# Altium PCB BTF16_2 (2).PcbDoc (part 2 of 4)
Units mm, origin at the board's own origin, x right, y up, seen from the top; angles counter-clockwise.
Board outline 150 x 212.5 mm, 4 copper layers (L1, L2, L3, L4), stack 1.606 mm thick; 313 components, 136 nets, 1767 pads, 1746 vias.
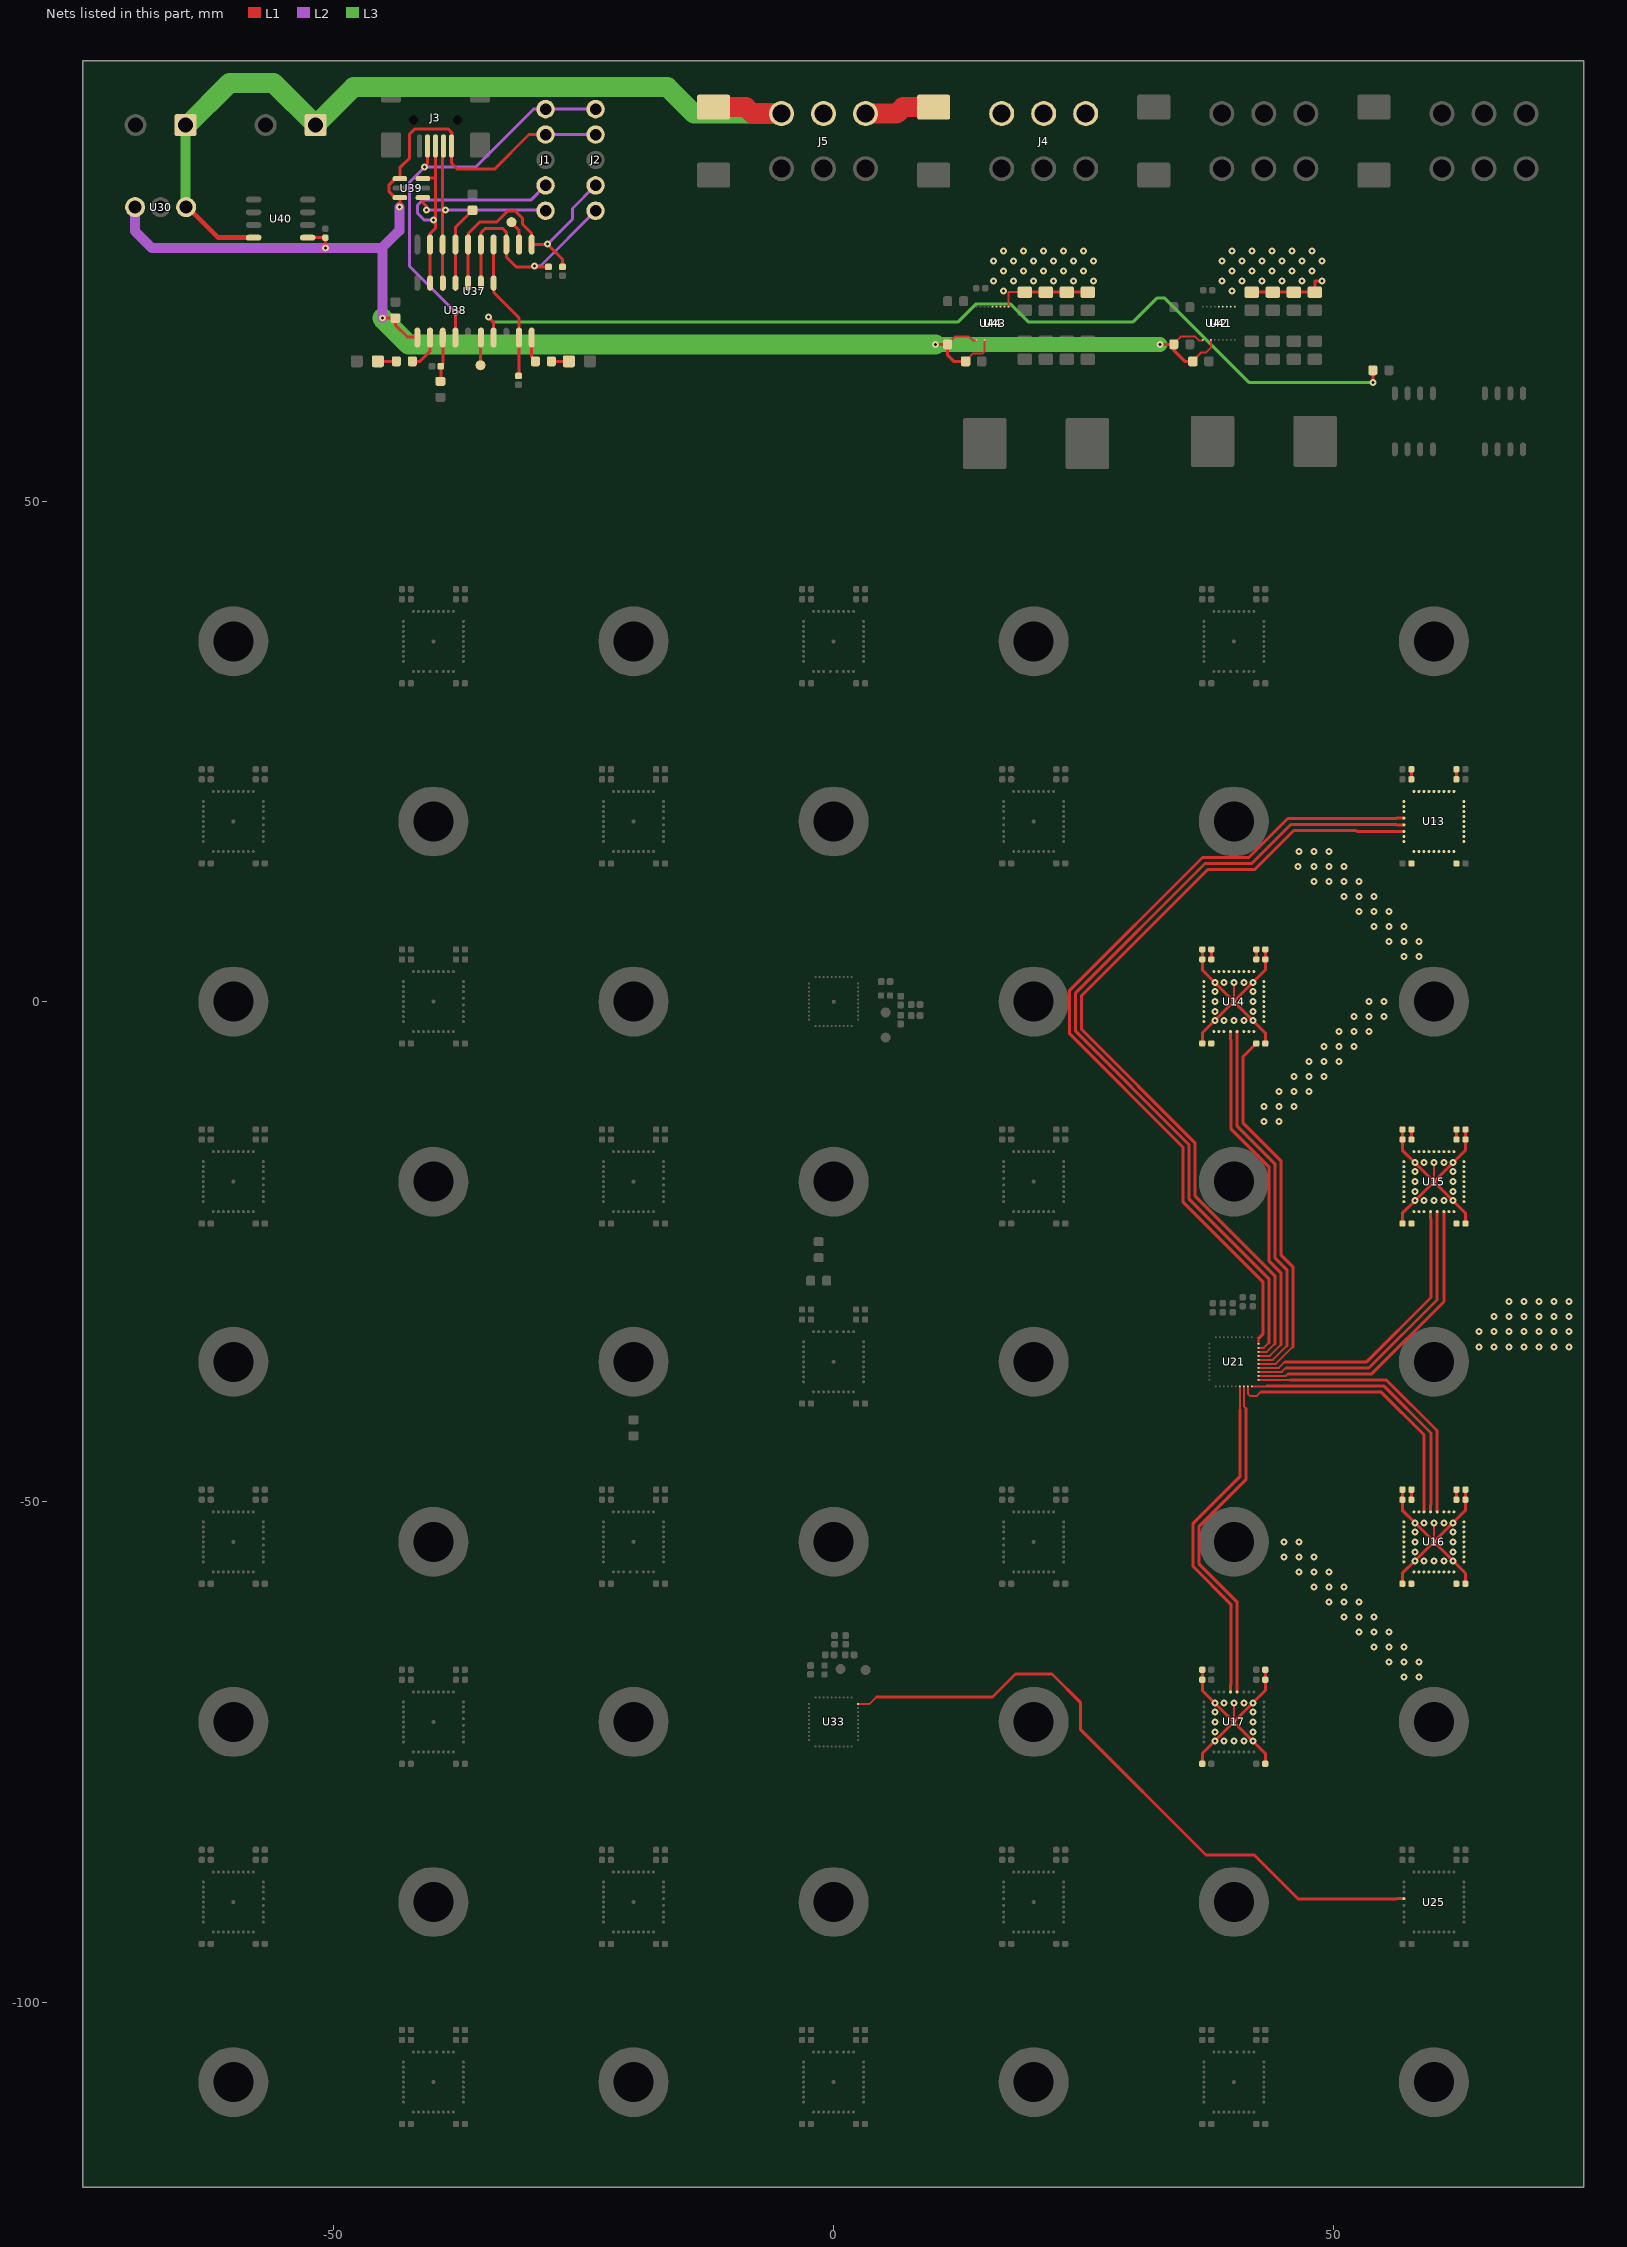
[diagram p4: the nets of this part, all layers, seen from the top]

## Components (designator, comment, footprint, x,y, rotation, side; value= is the part's Value field where it differs from the comment) (continued)
C136 "SMD_0402_CAPC1005X70N" SMD_0402_CAPC1005X70N -57.301,-49.784 r0 top
C137 "SMD_0402_CAPC1005X70N" SMD_0402_CAPC1005X70N -62.701,-49.784 r180 top
C138 "SMD_0402_CAPC1005X70N" SMD_0402_CAPC1005X70N -57.301,-58.184 r0 top
C139 "SMD_0402_CAPC1005X70N" SMD_0402_CAPC1005X70N 57.299,-94.184 r180 top
C140 "SMD_0402_CAPC1005X70N" SMD_0402_CAPC1005X70N 57.299,-84.784 r180 top
C141 "SMD_0402_CAPC1005X70N" SMD_0402_CAPC1005X70N 62.699,-84.784 r0 top
C142 "SMD_0402_CAPC1005X70N" SMD_0402_CAPC1005X70N 37.299,-112.184 r180 top
C143 "SMD_0402_CAPC1005X70N" SMD_0402_CAPC1005X70N 37.299,-102.784 r180 top
C144 "SMD_0402_CAPC1005X70N" SMD_0402_CAPC1005X70N 42.699,-102.784 r0 top
C145 "SMD_0402_CAPC1005X70N" SMD_0402_CAPC1005X70N 17.299,-94.184 r180 top
C146 "SMD_0402_CAPC1005X70N" SMD_0402_CAPC1005X70N 17.299,-84.784 r180 top
C147 "SMD_0402_CAPC1005X70N" SMD_0402_CAPC1005X70N 22.699,-84.784 r0 top
C148 "SMD_0402_CAPC1005X70N" SMD_0402_CAPC1005X70N -2.701,-112.184 r180 top
C149 "SMD_0402_CAPC1005X70N" SMD_0402_CAPC1005X70N -2.701,-102.784 r180 top
C150 "SMD_0402_CAPC1005X70N" SMD_0402_CAPC1005X70N 2.699,-102.784 r0 top
C151 "SMD_0402_CAPC1005X70N" SMD_0402_CAPC1005X70N 62.699,-85.784 r0 top
C152 "SMD_0402_CAPC1005X70N" SMD_0402_CAPC1005X70N 57.299,-85.784 r180 top
C153 "SMD_0402_CAPC1005X70N" SMD_0402_CAPC1005X70N 62.699,-94.184 r0 top
C154 "SMD_0402_CAPC1005X70N" SMD_0402_CAPC1005X70N 42.699,-103.784 r0 top
C155 "SMD_0402_CAPC1005X70N" SMD_0402_CAPC1005X70N 37.299,-103.784 r180 top
C156 "SMD_0402_CAPC1005X70N" SMD_0402_CAPC1005X70N 42.699,-112.184 r0 top
C157 "SMD_0402_CAPC1005X70N" SMD_0402_CAPC1005X70N 22.699,-85.784 r0 top
C158 "SMD_0402_CAPC1005X70N" SMD_0402_CAPC1005X70N 17.299,-85.784 r180 top
C159 "SMD_0402_CAPC1005X70N" SMD_0402_CAPC1005X70N 22.699,-94.184 r0 top
C160 "SMD_0402_CAPC1005X70N" SMD_0402_CAPC1005X70N 2.699,-103.784 r0 top
C161 "SMD_0402_CAPC1005X70N" SMD_0402_CAPC1005X70N -2.701,-103.784 r180 top
C162 "SMD_0402_CAPC1005X70N" SMD_0402_CAPC1005X70N 2.699,-112.184 r0 top
C163 "SMD_0402_CAPC1005X70N" SMD_0402_CAPC1005X70N -17.301,-49.784 r0 top
C164 "SMD_0402_CAPC1005X70N" SMD_0402_CAPC1005X70N -22.701,-49.784 r180 top
C165 "SMD_0402_CAPC1005X70N" SMD_0402_CAPC1005X70N -17.301,-58.184 r0 top
C166 "SMD_0402_CAPC1005X70N" SMD_0402_CAPC1005X70N 22.699,-49.784 r0 top
C167 "SMD_0402_CAPC1005X70N" SMD_0402_CAPC1005X70N 17.299,-49.784 r180 top
C168 "SMD_0402_CAPC1005X70N" SMD_0402_CAPC1005X70N 22.699,-58.184 r0 top
C187 "SMD_0402_CAPC1005X55N" SMD_0402_CAPC1005X55N -0.9,-66.8 r90 top
C206 "SMD_0402_CAPC1005X55N" SMD_0402_CAPC1005X55N -50.8,76.8 r90 top
C207 "SMD_0603_CAPC1608X80N" SMD_0603_CAPC1608X80N -36.1,79.9 r90 top
C208 "SMD_0603_CAPC1608X95N" SMD_0603_CAPC1608X95N -43.792,69.12 r90 top
C209 "SMD_0603_CAPC1608X95N" SMD_0603_CAPC1608X95N 36.7,64 r0 top
C210 "SMD_0402_CAPC1005X55N" SMD_0402_CAPC1005X55N 37.4,71.1 r0 top
C211 "SMD_0805_CAPC2012X145N" SMD_0805_CAPC2012X145N 46,65.1 r90 top
C212 "SMD_0805_CAPC2012X145N" SMD_0805_CAPC2012X145N 41.8,65.1 r90 top
C213 "SMD_0805_CAPC2012X145N" SMD_0805_CAPC2012X145N 43.9,65.1 r90 top
C214 "SMD_0805_CAPC2012X145N" SMD_0805_CAPC2012X145N 48.1,65.1 r90 top
C215 "SMD_0805_CAPC2012X145N" SMD_0805_CAPC2012X145N 48.1,70 r270 top
C216 "SMD_0805_CAPC2012X145N" SMD_0805_CAPC2012X145N 41.8,70 r270 top
C217 "SMD_0805_CAPC2012X145N" SMD_0805_CAPC2012X145N 43.9,70 r270 top
C218 "SMD_0805_CAPC2012X145N" SMD_0805_CAPC2012X145N 46,70 r270 top
C219 "SMD_0603_CAPC1608X95N" SMD_0603_CAPC1608X95N 14,64 r0 top
C220 "SMD_0402_CAPC1005X55N" SMD_0402_CAPC1005X55N 14.7,71.3 r0 top
C221 "NR_SMD_0805_CAPC2012X145N" NR_SMD_0805_CAPC2012X145N 23.3,65.1 r90 top
C222 "NR_SMD_0805_CAPC2012X145N" NR_SMD_0805_CAPC2012X145N 19.1,65.1 r90 top
C223 "NR_SMD_0805_CAPC2012X145N" NR_SMD_0805_CAPC2012X145N 21.2,65.1 r90 top
C224 "NR_SMD_0805_CAPC2012X145N" NR_SMD_0805_CAPC2012X145N 25.4,65.1 r90 top
C225 "NR_SMD_0805_CAPC2012X145N" NR_SMD_0805_CAPC2012X145N 25.4,70 r270 top
C226 "NR_SMD_0805_CAPC2012X145N" SMD_0805_CAPC2012X145N 19.1,70 r270 top
C227 "NR_SMD_0805_CAPC2012X145N" NR_SMD_0805_CAPC2012X145N 21.2,70 r270 top
C228 "NR_SMD_0805_CAPC2012X145N" NR_SMD_0805_CAPC2012X145N 23.3,70 r270 top
D1 "SMD_LED2012X100N" SMD_LED2012X100N -25.4,64 r180 top
D2 "SMD_DO214AC_SMC" SMD_DO214AC_SMC 10,86 r270 top
D3 "SMD_LED2012X100N" SMD_LED2012X100N -46.6,64 r0 top
D4 "SMD_DO214AC_SMC" SMD_DO214AC_SMC -12,86 r270 top
D5 "SMD_DO214AC_SMC" SMD_DO214AC_SMC 32,86 r270 top
D6 "SMD_DO214AC_SMC" SMD_DO214AC_SMC 54,86 r270 top
J1 "PTH_HDRV05W64P254_1X05" PTH_HDRV05W64P254_1X05 -28.792,84.12 r270 top
J2 "PTH_HDRV05W64P254_1X05" PTH_HDRV05W64P254_1X05 -23.792,84.12 r270 top
J3 "SMD_CON-CVILUX-CU04-SCM15B0" SMD_CON-CVILUX-CU04-SCM15B0 -39.792,88.12 r180 top
J4 "PTH_CON_WR-MRC4-6P_S" PTH_CON_WR-MRC4-6P_S 21,86 r0 top
J5 "PTH_CON_WR-MRC4-6P_S" PTH_CON_WR-MRC4-6P_S -1,86 r0 top
J6 "PTH_HDRV02W11060P500_1X02" PTH_HDRV02W11060P500_1X02 -67.27,87.258 r180 top
J7 "PTH_HDRV02W11060P500_1X02" PTH_HDRV02W11060P500_1X02 -54.27,87.258 r180 top
J8 "PTH_CON_WR-MRC4-6P_S" PTH_CON_WR-MRC4-6P_S 65,86 r0 top
J9 "PTH_CON_WR-MRC4-6P_S" PTH_CON_WR-MRC4-6P_S 43,86 r0 top
J10 "PTH_MTG400_700" PTH_MTG400_700 60,36 r0 top
J11 "PTH_MTG400_700" PTH_MTG400_700 20,36 r0 top
J12 "PTH_MTG400_700" PTH_MTG400_700 -20,36 r0 top
J13 "PTH_MTG400_700" PTH_MTG400_700 -60,36 r0 top
J14 "PTH_MTG400_700" PTH_MTG400_700 -40,18 r0 top
J15 "PTH_MTG400_700" PTH_MTG400_700 0,18 r0 top
J16 "PTH_MTG400_700" PTH_MTG400_700 40,18 r0 top
J17 "PTH_MTG400_700" PTH_MTG400_700 -60,0 r0 top
J18 "PTH_MTG400_700" PTH_MTG400_700 -20,0 r0 top
J19 "PTH_MTG400_700" PTH_MTG400_700 20,0 r0 top
J20 "PTH_MTG400_700" PTH_MTG400_700 60,0 r0 top
J21 "PTH_MTG400_700" PTH_MTG400_700 -40,-18 r0 top
J22 "PTH_MTG400_700" PTH_MTG400_700 0,-18 r0 top
J23 "PTH_MTG400_700" PTH_MTG400_700 40,-18 r0 top
J24 "PTH_MTG400_700" PTH_MTG400_700 -60,-108 r0 top
J25 "PTH_MTG400_700" PTH_MTG400_700 -20,-108 r0 top
J26 "PTH_MTG400_700" PTH_MTG400_700 20,-108 r0 top
J27 "PTH_MTG400_700" PTH_MTG400_700 60,-108 r0 top
J28 "PTH_MTG400_700" PTH_MTG400_700 40,-90 r0 top
J29 "PTH_MTG400_700" PTH_MTG400_700 0,-90 r0 top
J30 "PTH_MTG400_700" PTH_MTG400_700 -40,-90 r0 top
J31 "PTH_MTG400_700" PTH_MTG400_700 -60,-72 r0 top
J32 "PTH_MTG400_700" PTH_MTG400_700 -20,-72 r0 top
J33 "PTH_MTG400_700" PTH_MTG400_700 20,-72 r0 top
J34 "PTH_MTG400_700" PTH_MTG400_700 60,-72 r0 top
J35 "PTH_MTG400_700" PTH_MTG400_700 -40,-54 r0 top
J36 "PTH_MTG400_700" PTH_MTG400_700 0,-54 r0 top
J37 "PTH_MTG400_700" PTH_MTG400_700 40,-54 r0 top
J38 "PTH_MTG400_700" PTH_MTG400_700 -60,-36 r0 top
J39 "PTH_MTG400_700" PTH_MTG400_700 -20,-36 r0 top
J40 "PTH_MTG400_700" PTH_MTG400_700 20,-36 r0 top
J41 "PTH_MTG400_700" PTH_MTG400_700 60,-36 r0 top
L1 "SMT_INDM135130X800N" SMT_INDM135130X800N 43,56 r180 top
L2 "SMT_INDM135130X800N" SMT_INDM135130X800N 20.242,55.771 r180 top
Q1 "SMD_SOIC127P600X110-9AN" SMD_SOIC127P600X110-9AN 67,58 r270 top
Q2 "SMD_SOIC127P600X110-9AN" SMD_SOIC127P600X110-9AN 58,58 r270 top
R1 "SMD_0402_RESC1005X37N" SMD_0402_RESC1005X37N 8.2,-0.3 r0 top
R2 "SMD_0402_RESC1005X37N" SMD_0402_RESC1005X37N 8.2,-1.4 r0 top
R3 "SMD_0402_RESC1005X37N" SMD_0402_RESC1005X37N 5.2,2 r0 top
R4 "SMD_0402_RESC1005X37N" SMD_0402_RESC1005X37N 6.7,0.1 r90 top
R5 "SMD_0402_RESC1005X37N" SMD_0402_RESC1005X37N 6.7,-1.8 r270 top
R6 "SMD_0402_RESC1005X37N" SMD_0402_RESC1005X37N 0.1,-63.8 r90 top
R7 "SMD_0402_RESC1005X37N" SMD_0402_RESC1005X37N 1.2,-63.8 r90 top
R8 "SMD_0402_RESC1005X37N" SMD_0402_RESC1005X37N -2.3,-66.8 r90 top
R9 "SMD_0402_RESC1005X37N" SMD_0402_RESC1005X37N -0.4,-65.3 r180 top
R10 "SMD_0402_RESC1005X37N" SMD_0402_RESC1005X37N 1.6,-65.3 r0 top
R11 "SMD_0603_RESC1608X55N" SMD_0603_RESC1608X55N -39.3,61.2 r90 top
R12 "SMD_0402_RESC1005X37N" SMD_0402_RESC1005X37N -39.7,63.5 r180 top
R13 "SMD_0603_RESC1608X55N" SMD_0603_RESC1608X55N -29,64 r180 top
R14 "SMD_0603_RESC1608X55N" SMD_0603_RESC1608X55N -42.9,64 r0 top
R15 "SMD_0402_RESC1005X37N" SMD_0402_RESC1005X37N -31.5,62.1 r270 top
R16 "SMD_0402_RESC1005X37N" SMD_0402_RESC1005X37N -28.5,73 r270 top
R17 "SMD_0402_RESC1005X37N" SMD_0402_RESC1005X37N -27.1,73 r270 top
R18 "SMD_0603_RESC1608X55N" SMD_0603_RESC1608X55N 54.7,63.1 r0 top
R19 "SMD_0603_RESC1608X55N" SMD_0603_RESC1608X55N 34.8,65.7 r0 top
R20 "SMD_0603_RESC1608X55N" SMD_0603_RESC1608X55N 34.8,69.4 r0 top
R21 "SMD_0603_RESC1608X55N" SMD_0603_RESC1608X55N 12.2,65.7 r0 top
R22 "SMD_0603_RESC1608X55N" SMD_0603_RESC1608X55N 12.2,70 r0 top
R23 "SMD_0603_RESC1608X55N" SMD_0603_RESC1608X55N -1.5,-27.9 r180 top
R24 "SMD_0603_RESC1608X55N" SMD_0603_RESC1608X55N -1.5,-24.8 r270 top
R25 "SMD_0603_RESC1608X55N" SMD_0603_RESC1608X55N -20,-42.6 r90 top
TP1 "SMD_TP_100-254" SMD_TP_100-254 5.2,-3.6 r0 top
TP2 "SMD_TP_100-254" SMD_TP_100-254 5.2,-1.1 r0 top
TP3 "SMD_TP_100-254" SMD_TP_100-254 3.2,-66.8 r0 top
TP4 "SMD_TP_100-254" SMD_TP_100-254 0.7,-66.7 r0 top
TP5 "SMD_TP_100-254" SMD_TP_100-254 -32.2,77.9 r270 top
TP6 "SMD_TP_100-254" SMD_TP_100-254 -35.3,63.6 r270 top
U1 "SMD_QFN50P600X600X175-36AN" SMD_QFN50P600X600X175-36AN 0,-36 r90 top
U2 "SMD_QFN50P600X600X175-36AN" SMD_QFN50P600X600X175-36AN -60,-18 r0 top
U3 "SMD_QFN50P600X600X175-36AN" SMD_QFN50P600X600X175-36AN 20,-18 r180 top
U4 "SMD_QFN50P600X600X175-36AN" SMD_QFN50P600X600X175-36AN -20,-18 r0 top
U5 "SMD_QFN50P600X600X175-36AN" SMD_QFN50P600X600X175-36AN -40,0 r0 top
U6 "SMD_QFN50P600X600X175-36AN" SMD_QFN50P600X600X175-36AN -60,18 r0 top
U7 "SMD_QFN50P600X600X175-36AN" SMD_QFN50P600X600X175-36AN -40,36 r270 top
U8 "SMD_QFN50P600X600X175-36AN" SMD_QFN50P600X600X175-36AN -20,18 r0 top
U9 "SMD_QFN40P500X500X80-41N" SMD_QFN40P500X500X80-41N 0,0 r90 top
U10 "SMD_QFN50P600X600X175-36AN" SMD_QFN50P600X600X175-36AN 0,36 r270 top
U11 "SMD_QFN50P600X600X175-36AN" SMD_QFN50P600X600X175-36AN 40,36 r270 top
U12 "SMD_QFN50P600X600X175-36AN" SMD_QFN50P600X600X175-36AN 20,18 r180 top
U13 "SMD_QFN50P600X600X175-36AN" SMD_QFN50P600X600X175-36AN 60,18 r180 top
U14 "SMD_QFN50P600X600X175-36AN" SMD_QFN50P600X600X175-36AN 40,0 r270 top
U15 "SMD_QFN50P600X600X175-36AN" SMD_QFN50P600X600X175-36AN 60,-18 r270 top
U16 "SMD_QFN50P600X600X175-36AN" SMD_QFN50P600X600X175-36AN 60,-54 r90 top
U17 "SMD_QFN50P600X600X175-36AN" SMD_QFN50P600X600X175-36AN 40,-72 r90 top
U18 "SMD_QFN50P600X600X175-36AN" SMD_QFN50P600X600X175-36AN -20,-90 r0 top
U19 "SMD_QFN50P600X600X175-36AN" SMD_QFN50P600X600X175-36AN -40,-108 r90 top
U20 "SMD_QFN50P600X600X175-36AN" SMD_QFN50P600X600X175-36AN -60,-90 r0 top
U21 "SMD_QFN40P500X500X80-41N" SMD_QFN40P500X500X80-41N 40,-36 r180 top
U22 "SMD_QFN50P600X600X175-36AN" SMD_QFN50P600X600X175-36AN -40,-72 r0 top
U23 "SMD_QFN50P600X600X175-36AN" SMD_QFN50P600X600X175-36AN -60,-54 r0 top
U24 "SMD_QFN50P600X600X175-36AN" SMD_QFN50P600X600X175-36AN -20,-54 r270 top
U25 "SMD_QFN50P600X600X175-36AN" SMD_QFN50P600X600X175-36AN 60,-90 r180 top
U26 "SMD_QFN50P600X600X175-36AN" SMD_QFN50P600X600X175-36AN 40,-108 r90 top
U27 "SMD_QFN50P600X600X175-36AN" SMD_QFN50P600X600X175-36AN 20,-90 r180 top
U28 "SMD_QFN50P600X600X175-36AN" SMD_QFN50P600X600X175-36AN 0,-108 r90 top
U29 "SMD_QFN50P600X600X175-36AN" SMD_QFN50P600X600X175-36AN 20,-54 r180 top
U30 "PTH_TO220" PTH_TO220 -67.27,79.058 r180 top
U33 "SMD_QFN40P500X500X80-41N" SMD_QFN40P500X500X80-41N 0,-72 r180 top
U37 "SMD_SOIC127P1030X265-20N" SMD_SOIC127P1030X265-20N -35.892,71.02 r90 top
U38 "SMD_SOIC127P600X175-14N" SMD_SOIC127P600X175-14N -37.792,69.12 r90 top
U39 "SMD_SOT457_SOT95P275X110-6N" SMD_SOT457_SOT95P275X110-6N -42.2,81.3 r0 top
U40 "SMD_SOIC127P600X175-8N" SMD_SOIC127P600X175-8N -55.27,78.258 r180 top
U41 "SMD_SON40P330X330X100-17N" SMD_SON40P330X330X100-17N 38.7,67.8 r90 top
U42 "SMD_SON40P330X330X100-17N" SMD_SON40P330X330X100-17N 38.3,67.8 r90 top
U43 "SMD_SON40P330X330X100-17N" SMD_SON40P330X330X100-17N 16.1,67.8 r90 top
U44 "SMD_SON40P330X330X100-17N" SMD_SON40P330X330X100-17N 15.7,67.8 r90 top

## Footprints (in the part's own frame and the unit in brackets; to place one, negate y for a bottom-side part, rotate by r counter-clockwise, add the part's x,y. Pads: shape width x height; smd on the part's side, far side on the other; paste and mask are expansions set on the pad)
NR_SMD_0805_CAPC2012X145N [mm]
  rrect35% 1.15x1.45 smd mask+0.075: 1(-0.9,0) 2(0.9,0)
PTH_CON_WR-MRC4-6P_S [mm]
  round 2.5 hole 1.8 mask+0.075: 1(-4.2,2.75) 2(0,2.75) 3(4.2,2.75) 4(-4.2,-2.75) 5(0,-2.75) 6(4.2,-2.75)
  silkscreen extent -7.1,-1.5 7.1,4.85, body extent -7.25,-6.3 6.95,4.8, height 12.8
PTH_HDRV02W11060P500_1X02 [mm]
  rrect18% 2.2x2.2 / inner round 2.2 / far side rrect18% 2.2x2.2 hole 1.5 mask+0.075: 1(-2.5,-0.35)
  round 2.2 hole 1.5 mask+0.075: 2(2.5,-0.35)
  silkscreen extent -5.25,-4 5.25,4, body extent -5.25,-4 5.25,4, height 11
PTH_HDRV05W64P254_1X05 [mm]
  round 1.85 hole 1.15 mask+0.075: 1(-5.08,0) 2(-2.54,0) 3(0,0) 4(2.54,0) 5(5.08,0)
  silkscreen extent -6.35,-1.25 6.35,1.25, body extent -6.35,-1.25 6.35,1.25, height 8
PTH_MTG400_700 [mm]
  round 7 / inner round 5 / far side round 7 hole 4 mask+0.075: 1(0,0)
  silkscreen extent -3.85,-3.85 3.85,3.85
PTH_TO220 [mm]
  round 2 hole 1.3 mask+0.075: 1(-2.55,-0.35) 2(0,-0.35) 3(2.55,-0.35)
  silkscreen extent -5.25,-2.4 5.25,2.4, body extent -5.12,-2.25 5.12,2.26, height 23.25
SMD_0402_CAPC1005X55N [mm]
  rrect48% 0.62x0.62 smd mask+0.075: 1(-0.45,0) 2(0.45,0)
  body extent -0.5,-0.25 0.5,0.25, height 0.55
SMD_0402_CAPC1005X70N [mm]
  rrect48% 0.62x0.62 smd mask+0.075: 1(-0.45,0) 2(0.45,0)
  body extent -0.5,-0.25 0.5,0.25, height 0.7
SMD_0402_RESC1005X37N [mm]
  rrect45% 0.67x0.67 smd mask+0.05: 1(-0.44,0) 2(0.44,0)
  body extent -0.5,-0.25 0.5,0.25, height 0.37
SMD_0603_CAPC1608X80N [mm]
  rrect42% 0.95x1 smd mask+0.075: 1(-0.8,0) 2(0.8,0)
  body extent -0.8,-0.4 0.8,0.4, height 0.8
SMD_0603_CAPC1608X95N [mm]
  rrect42% 0.95x1 smd mask+0.075: 1(-0.8,0) 2(0.8,0)
  body extent -0.8,-0.4 0.8,0.4, height 0.95
SMD_0603_RESC1608X55N [mm]
  rrect44% 0.9x1 smd mask+0.075: 1(-0.8,0) 2(0.8,0)
  body extent -0.8,-0.4 0.8,0.4, height 0.55
SMD_0805_CAPC2012X145N [mm]
  rrect35% 1.15x1.45 smd mask+0.075: 1(-0.9,0) 2(0.9,0)
  body extent -1,-0.6 1,0.6, height 1.45
SMD_CON-CVILUX-CU04-SCM15B0 [mm]
  rrect80% 0.5x2.3 smd mask+0.075: 1(-1.6,2.6) 2(-0.8,2.6) 3(0,2.6) 4(0.8,2.6) 5(1.6,2.6)
  rrect20% 2x2.5 smd mask+0.075: 6(4.45,2.5) 7(4.45,-3) 8(-4.45,-3) 9(-4.45,2.5)
  round 0.5 hole 0.9 unplated mask+0.275: 10(-2.2,0) 11(2.2,0)
  silkscreen extent -3.85,-4.7 3.85,4.15, body extent -4.95,-5.9 4.95,3.1, height 3.95
SMD_DO214AC_SMC [mm]
  rrect16% 2.5x3.3 smd mask+0.075: 1(-3.4,0) 2(3.4,0)
  silkscreen extent -4.5,-3.1 3.55,3.1, body extent -4.06,-3.11 4.07,3.11, height 2.62
SMD_LED2012X100N [mm]
  rrect33% 1.2x1.2 smd mask+0.075: 1(-1.05,0) 2(1.05,0)
  body extent -1,-0.62 1,0.63, height 0.98
SMD_QFN40P500X500X80-41N [mm]
  round 0.2 smd: 1(-2.45,1.8) 2(-2.45,1.4) 3(-2.45,1) 4(-2.45,0.6) 5(-2.45,0.2) 6(-2.45,-0.2) 7(-2.45,-0.6) 8(-2.45,-1) 9(-2.45,-1.4) 10(-2.45,-1.8) 11(-1.8,-2.45) 12(-1.4,-2.45) 13(-1,-2.45) 14(-0.6,-2.45) 15(-0.2,-2.45) 16(0.2,-2.45) 17(0.6,-2.45) 18(1,-2.45) 19(1.4,-2.45) 20(1.8,-2.45) 21(2.45,-1.8) 22(2.45,-1.4) 23(2.45,-1) 24(2.45,-0.6) 25(2.45,-0.2) 26(2.45,0.2) 27(2.45,0.6) 28(2.45,1) 29(2.45,1.4) 30(2.45,1.8) 31(1.8,2.45) 32(1.4,2.45) 33(1,2.45) 34(0.6,2.45) 35(0.2,2.45) 36(-0.2,2.45) 37(-0.6,2.45) 38(-1,2.45) 39(-1.4,2.45) 40(-1.8,2.45)
  rect 0.35x0.35 smd: 41(0,0)
  L1 region: -1.675,1.325 -1.325,1.675 1.475,1.679 1.553,1.663 1.619,1.619 1.663,1.553 1.679,1.475 1.675,1.475 1.679,-1.475 1.663,-1.553 1.619,-1.619 1.553,-1.663 1.475,-1.679 1.475,-1.675 -1.475,-1.679 -1.553,-1.663 -1.619,-1.619 -1.663,-1.553 -1.679,-1.475 -1.675,-1.475 -1.675,1.325
  L1 region: -1.7,2.875 -1.692,2.125 -1.723,2.048 -1.8,2.017 -1.877,2.048 -1.908,2.125 -1.9,2.125 -1.9,2.875 -1.7,2.875
  L1 region: -1.3,2.875 -1.292,2.125 -1.323,2.048 -1.4,2.017 -1.477,2.048 -1.508,2.125 -1.5,2.125 -1.5,2.875 -1.3,2.875
  L1 region: -0.9,2.875 -0.892,2.125 -0.923,2.048 -1,2.017 -1.077,2.048 -1.108,2.125 -1.1,2.125 -1.1,2.875 -0.9,2.875
  L1 region: -0.5,2.875 -0.492,2.125 -0.523,2.048 -0.6,2.017 -0.677,2.048 -0.708,2.125 -0.7,2.125 -0.7,2.875 -0.5,2.875
  L1 region: -0.1,2.875 -0.092,2.125 -0.123,2.048 -0.2,2.017 -0.277,2.048 -0.308,2.125 -0.3,2.125 -0.3,2.875 -0.1,2.875
  L1 region: 0.3,2.875 0.308,2.125 0.277,2.048 0.2,2.017 0.123,2.048 0.092,2.125 0.1,2.125 0.1,2.875 0.3,2.875
  L1 region: 0.7,2.875 0.708,2.125 0.677,2.048 0.6,2.017 0.523,2.048 0.492,2.125 0.5,2.125 0.5,2.875 0.7,2.875
  L1 region: 1.1,2.875 1.108,2.125 1.077,2.048 1,2.017 0.923,2.048 0.892,2.125 0.9,2.125 0.9,2.875 1.1,2.875
  L1 region: 1.5,2.875 1.508,2.125 1.477,2.048 1.4,2.017 1.323,2.048 1.292,2.125 1.3,2.125 1.3,2.875 1.5,2.875
  L1 region: 1.9,2.875 1.908,2.125 1.877,2.048 1.8,2.017 1.723,2.048 1.692,2.125 1.7,2.125 1.7,2.875 1.9,2.875
  L1 region: 2.875,1.7 2.125,1.692 2.048,1.723 2.017,1.8 2.048,1.877 2.125,1.908 2.125,1.9 2.875,1.9 2.875,1.7
  L1 region: 2.875,1.3 2.125,1.292 2.048,1.323 2.017,1.4 2.048,1.477 2.125,1.508 2.125,1.5 2.875,1.5 2.875,1.3
  L1 region: 2.875,0.9 2.125,0.892 2.048,0.923 2.017,1 2.048,1.077 2.125,1.108 2.125,1.1 2.875,1.1 2.875,0.9
  L1 region: 2.875,0.5 2.125,0.492 2.048,0.523 2.017,0.6 2.048,0.677 2.125,0.708 2.125,0.7 2.875,0.7 2.875,0.5
  L1 region: 2.875,0.1 2.125,0.092 2.048,0.123 2.017,0.2 2.048,0.277 2.125,0.308 2.125,0.3 2.875,0.3 2.875,0.1
  L1 region: 2.875,-0.3 2.125,-0.308 2.048,-0.277 2.017,-0.2 2.048,-0.123 2.125,-0.092 2.125,-0.1 2.875,-0.1 2.875,-0.3
  L1 region: 2.875,-0.7 2.125,-0.708 2.048,-0.677 2.017,-0.6 2.048,-0.523 2.125,-0.492 2.125,-0.5 2.875,-0.5 2.875,-0.7
  L1 region: 2.875,-1.1 2.125,-1.108 2.048,-1.077 2.017,-1 2.048,-0.923 2.125,-0.892 2.125,-0.9 2.875,-0.9 2.875,-1.1
  L1 region: 2.875,-1.5 2.125,-1.508 2.048,-1.477 2.017,-1.4 2.048,-1.323 2.125,-1.292 2.125,-1.3 2.875,-1.3 2.875,-1.5
  L1 region: 2.875,-1.9 2.125,-1.908 2.048,-1.877 2.017,-1.8 2.048,-1.723 2.125,-1.692 2.125,-1.7 2.875,-1.7 2.875,-1.9